# Altium PCB drive.PcbDoc
Units mm, origin at the board's own origin, x right, y up, seen from the top; angles counter-clockwise.
Board outline 29.81 x 30.08 mm, 2 copper layers (Top Layer, Bottom Layer); 49 components, 48 nets, 199 pads, 100 vias.
Unrouted connection lines stored in the file: 5.
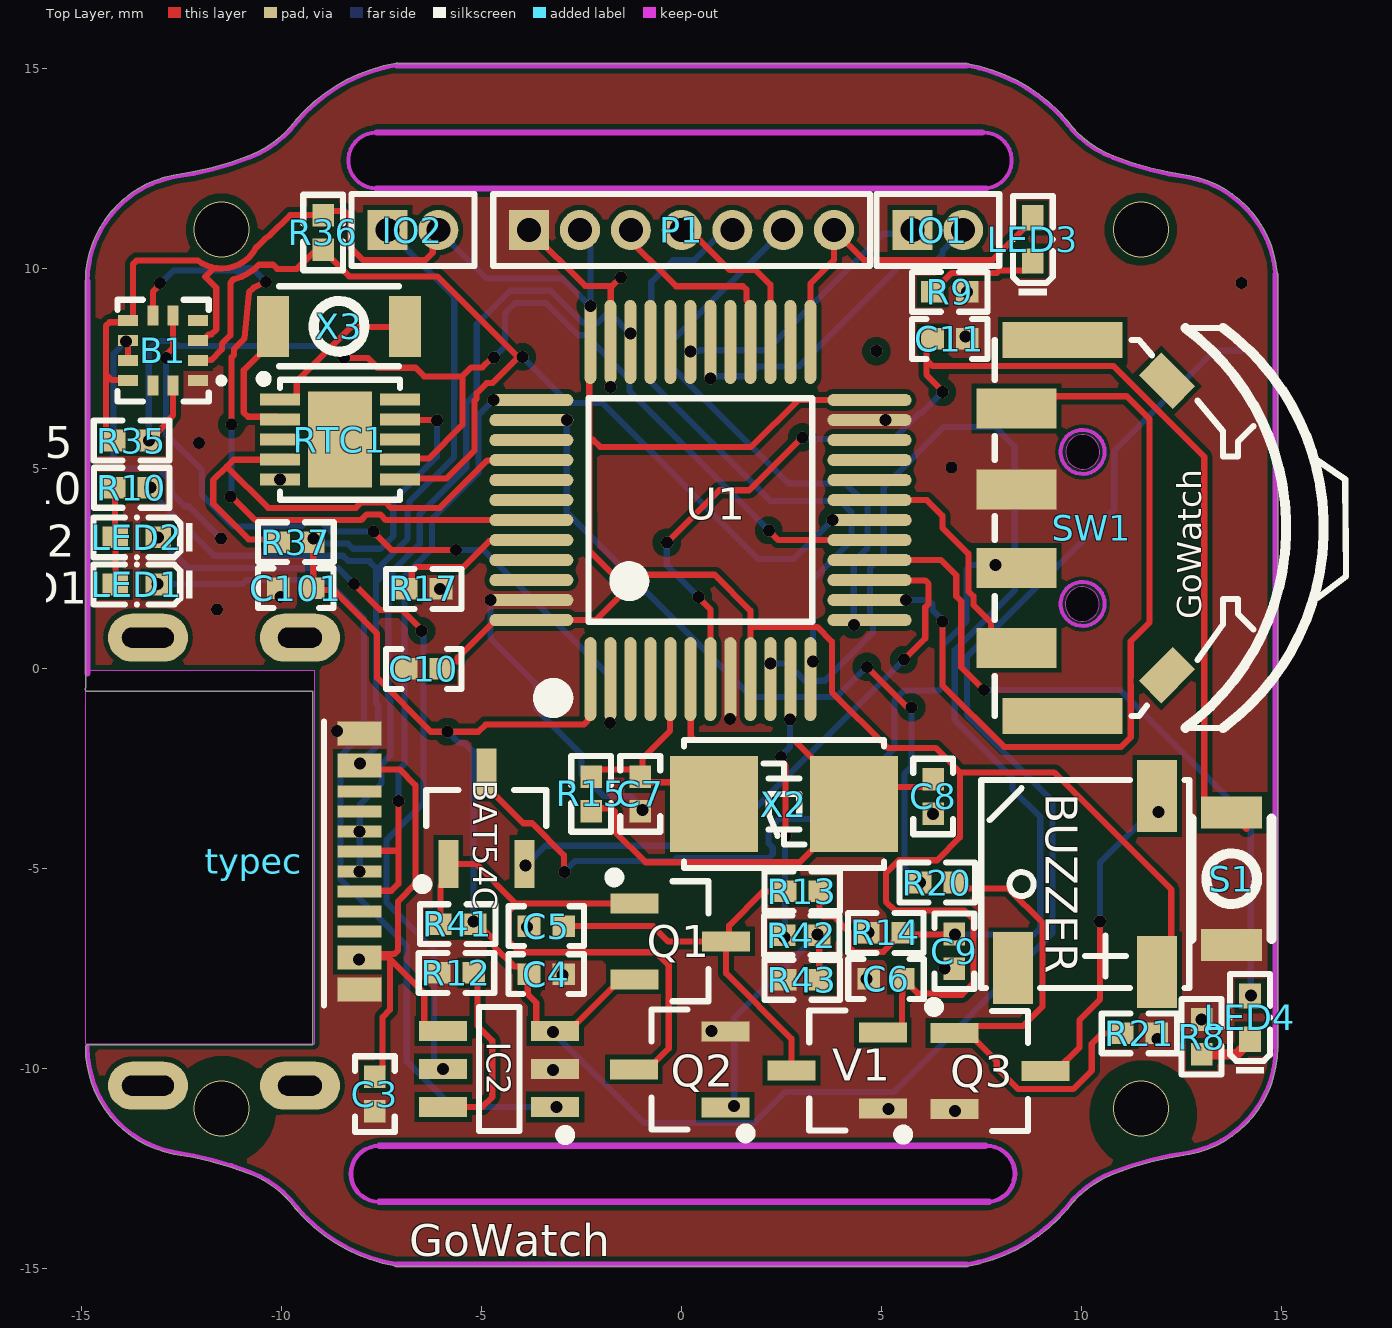
[diagram p0: Top Layer view]
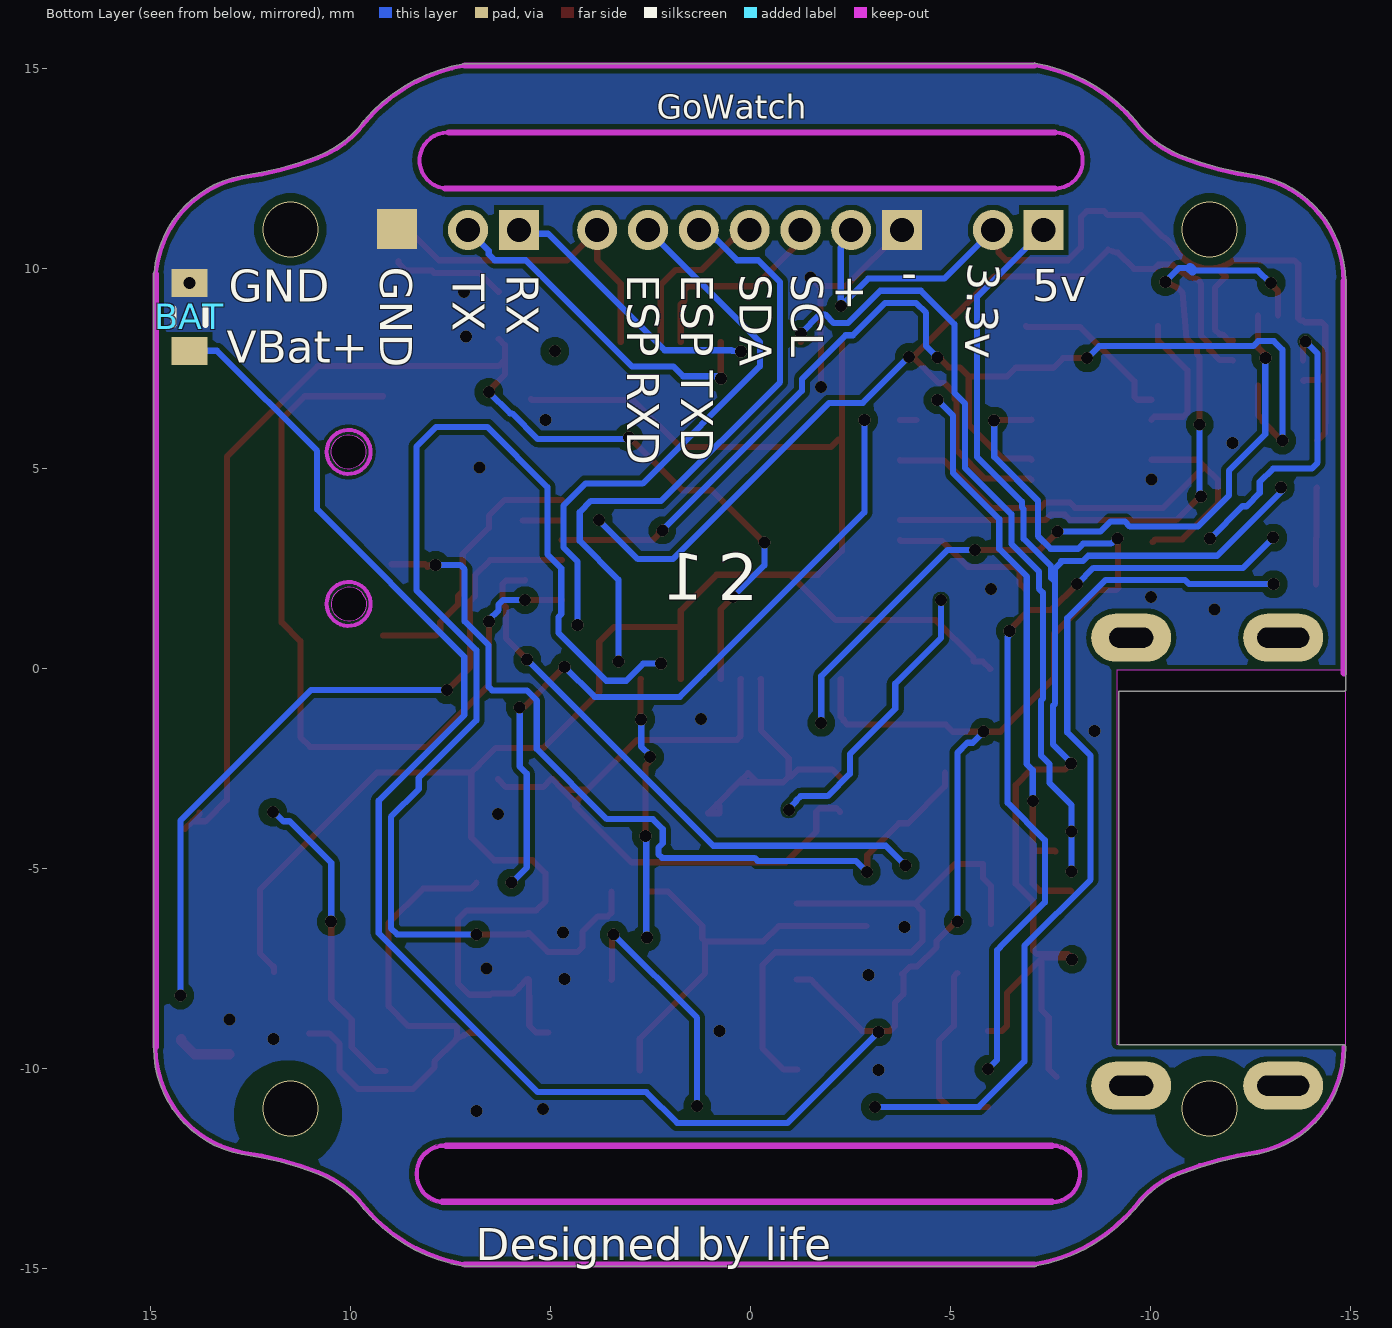
[diagram p1: Bottom Layer view, seen from below]

## Layer stack, top to bottom
Top Solder: solder mask 0.0102, Solder Resist, Dk 3.5
Top Layer: signal copper 0.0356
Dielectric 1: dielectric 0.32, FR-4, Dk 4.8
Bottom Layer: signal copper 0.0356
Bottom Solder: solder mask 0.0102, Solder Resist, Dk 3.5

## Board outline
-12.682,-12.128 cw(c-12.682,-12.128) -12.682,-12.128 cw(c-13.844,-20.451) -10.799,-12.619 ccw(c-10.78,-12.57) -10.797,-12.619 cw(c-11.691,-15.004) -9.637,-13.499 ccw(c-9.596,-13.47) -9.634,-13.503 cw(c-9.601,-13.475) -9.634,-13.502 -9.634,-13.503 ccw(c-6.425,-10.771) -7.147,-14.923 ccw(c-7.112,-14.888) -7.112,-14.938 7.132,-14.938 ccw(c7.132,-14.888) 7.157,-14.931 ccw(c6.445,-10.778) 9.649,-13.515 ccw(c9.619,-13.475) 9.659,-13.505 cw(c11.714,-15.009) 10.82,-12.625 cw(c10.828,-12.644) 10.821,-12.624 cw(c13.866,-20.456) 12.695,-12.135 ccw(c12.696,-12.085) 12.705,-12.134 ccw(c12.198,-9.472) 14.909,-9.472 ccw(c12.411,-9.471) 14.909,-9.454 14.909,9.652 ccw(c12.199,9.67) 14.909,9.67 ccw(c12.411,9.671) 14.909,9.688 14.909,9.872 ccw(c14.858,9.872) 14.899,9.902 ccw(c12.198,9.67) 12.705,12.332 ccw(c12.696,12.283) 12.702,12.333 ccw(c12.704,12.347) 12.703,12.333 12.702,12.333 cw(c13.864,20.656) 10.819,12.823 ccw(c10.805,12.788) 10.817,12.824 cw(c11.711,15.208) 9.657,13.704 ccw(c9.618,13.676) 9.654,13.707 ccw(c6.445,10.976) 7.147,15.131 ccw(c7.132,15.083) 7.132,15.133 -7.085,15.133 ccw(c-7.115,15.093) -7.123,15.142 ccw(c-6.428,10.986) -9.637,13.717 ccw(c-9.628,13.709) -9.637,13.717 ccw(c-9.599,13.684) -9.64,13.714 cw(c-11.694,15.218) -10.801,12.834 cw(c-10.815,12.87) -10.801,12.834 -10.802,12.833 cw(c-10.787,12.795) -10.801,12.834 -10.802,12.833 cw(c-13.847,20.666) -12.685,12.343 cw(c-12.689,12.367) -12.686,12.343 -12.685,12.343 ccw(c-12.679,12.292) -12.688,12.342 ccw(c-12.182,9.68) -14.892,9.705 ccw(c-14.842,9.702) -14.892,9.702 -14.892,9.698 cw(c-13.337,9.689) -14.892,9.705 -14.892,9.698 ccw(c-12.182,9.68) -14.892,9.662 -14.892,-0.482 ccw(c-14.848,-0.507) -14.848,-0.558 -9.215,-0.558 -9.215,-9.397 -14.838,-9.397 ccw(c-14.838,-9.447) -14.889,-9.447 ccw(c-12.178,-9.465) -12.685,-12.128 ccw(c-12.676,-12.078)
cut-out: -7.547,-13.372 cw(c-7.547,-12.622) -7.547,-11.872 7.604,-11.872 cw(c7.604,-11.922) 7.619,-11.874 cw(c7.634,-11.922) 7.634,-11.872 cw(c7.634,-12.622) 8.384,-12.622 cw(c7.634,-12.622) 7.714,-13.368 cw(c7.694,-13.322) 7.694,-13.372
cut-out: -7.62,12.013 cw(c-7.62,12.713) -7.62,13.413 7.531,13.413 7.561,13.413 cw(c7.561,12.713) 7.561,12.013 7.621,12.013
cut-out: -14.892,-9.377 -14.892,-0.037 -9.168,-0.037 -9.168,-9.377

## Design rules (kind name [scope] priority, off if disabled: settings)
Clearance [All] p1: gap=0.127 ignorepadtopadclearanceinfootprint=FALSE except(0.15: Arc-Arc Arc-Track Track-Track; 0.2: Arc-Via Track-Via SMDPad-Via THPad-Via Via-Fill Via-Poly Via-Region; 0.4: Via-Via)
PolygonConnect [All] p1: connectstyle=Direct reliefconductorwidth=0.254 reliefentries=4 polygonreliefangle="90 Angle" airgapwidth=0.254
RoutingVias [All] p1: holewidth=0.4 width=1 viastyle="Through Hole" minholewidth=0.3 minwidth=0.6 maxholewidth=0.711 maxwidth=1.27
SolderMaskExpansion [All] p1: expansion=0.102 istentingtop=FALSE
Width [All] p1: maxlimit=3 minlimit=0.127 preferedwidth=0.254 minimp=50.000000 maximp=50.000000 favimp=50.000000
30 further rules are at their usual default settings.

## Components (designator, comment, footprint, x,y, rotation, side; value= is the part's Value field where it differs from the comment)
B1 "BMA423" LGA-12(2x2)-2 -12.84,8.09 r90 top locked
BAT "0" R0603 14.01,8.803 r270 bottom
BAT54C "BAT54C" SOT23-3N -4.87,-3.73 r0 top
BUZZER "Beep-5020" 5020BUZZER 10.1,-5.33 r0 top
C3 "105" C0402-min -7.66,-10.68 r90 top
C4 "105" C0402-min -3.32,-7.63 r180 top
C5 "104" C0402-min -3.423,-6.43 r0 top
C6 "104" C0402-min 5.07,-7.75 r0 top
C7 "20PF" C0402-min -1.024,-3.176 r90 top
C8 "20PF" C0402-min 6.3,-3.24 r90 top
C9 "104" C0402-min 6.83,-7.11 r90 top
C10 "104" C0402-min -6.49,0 r0 top
C11 "104" C0402-min 6.768,8.25 r180 top
C101 "104" C0402-min -9.69,2.02 r0 top
IC2 "TP4057" SOT23-6N -4.55,-10 r90 top
IO1 "串口" MHDR1X2 5.78,10.973 r0 top
IO2 "5v与3.3v相联" MHDR1X2 -7.34,10.973 r0 top
LED1 "红色" LED0402 -13.45,2.11 r0 top
LED2 "绿色" LED0402 -13.45,3.29 r0 top
LED3 "RED" LED0402 8.79,10.58 r270 top
LED4 "BLUE" LED0402 14.22,-8.872 r270 top locked
P1 "MHDR1X7" MHDR1X7 -3.8,10.973 r0 top locked
Q1 "AO3401" SOT23-3N -0.02,-6.81 r270 top
Q2 "9014" SOT23-3N -0.04,-10.01 r90 top
Q3 "SS8050" SOT23-3N 7.97,-10.05 r270 top
R8 "1K" R0402 13.01,-9.25 r90 top
R9 "1K" R0402 6.664,9.428 r0 top
R10 "1K" R0402 -13.79,4.53 r0 top
R12 "10K" R0402 -5.67,-7.6 r0 top
R13 "10K" R0402 3.08,-5.56 r180 top
R14 "10K" R0402 5.06,-6.6 r0 top
R15 "1M" R0402 -2.25,-3.176 r90 top
R17 "10K" R0402 -6.489,2 r0 top
R20 "1K" R0402 6.35,-5.34 r0 top
R21 "10K" R0402 11.51,-9.11 r180 top
R35 "4.7K" R0402 -13.69,5.71 r180 top
R36 "4.7K" R0402 -8.949,10.861 r90 top
R37 "10K" R0402 -9.58,3.17 r180 top
R41 "220K" R0402 -5.64,-6.38 r0 top
R42 "4.7K" R0402 2.96,-6.66 r0 top
R43 "220K" R0402 3.08,-7.77 r180 top
RTC1 "PCF8563BS" HVSON-10-EP(3x3) -8.76,5.83 r270 top locked
S1 "SW-PB" switch-2x3 13.718,-5.227 r270 top locked
SW1 "TM-2024A" LUNBO-min-out 11.5,3.723 r270 top
typec "typec-16p-new" type-c-16p-new -11.627,-4.944 r270 top locked
U1 "STM32F103C8" "LQFP48 7X7_M" 0.481,3.973 r0 top locked
V1 "XC6206P332MR" SOT23-3N 3.9,-10.04 r90 top
X2 "8Mhz" "OSC 5032-2P" 2.57,-3.377 r180 top
X3 "32.768KHZ" SMD3215-2P -8.59,8.54 r0 top

## Footprints (in the part's own frame and the unit in brackets; to place one, negate y for a bottom-side part, rotate by r counter-clockwise, add the part's x,y. Pads: shape width x height; smd on the part's side, far side on the other; paste and mask are expansions set on the pad)
5020BUZZER [mm]
  rect 1x1.8 smd: 1(1.8,-2.25) 2(1.8,2.152) 3(-1.8,-2.151)
  silkscreen extent -2.6,-2.65 2.6,2.55, body extent -2.6,-2.7 2.6,2.5, height 2
C0402-min [mm]
  rect 0.566x0.54 smd paste-100 mask+0.051: 1(-0.381,0) 2(0.485,0)
  silkscreen extent -0.89,-0.5 1,0.5
HVSON-10-EP(3x3) [mm] "PCF8563BS"
  rect 0.3x1 smd paste+0 mask+0.05: 1(-0.9,-1.273) 2(-0.4,-1.273) 3(0.1,-1.273) 4(0.6,-1.273) 5(1.1,-1.273) 6(1.1,1.727) 7(0.6,1.727) 8(0.1,1.727) 9(-0.4,1.727) 10(-0.9,1.727)
  rect 2.4x1.6 smd paste+0 mask+0.05: 11(0.1,0.227)
  silkscreen extent -1.52,-1.78 1.6,1.73
LED0402 [mm]
  rect 0.636x0.54 smd paste-100 mask+0.051: 1(-0.695,0) 2(0.381,0)
  silkscreen extent -1.24,-0.54 1.23,0.54
LGA-12(2x2)-2 [mm] "BMA423"
  rect 0.28x0.5 smd: 1(-0.881,-0.762) 2(-0.381,-0.762) 3(0.119,-0.762) 4(0.619,-0.762) 7(0.619,0.988) 8(0.119,0.988) 9(-0.381,0.988) 10(-0.881,0.988)
  rect 0.5x0.28 smd: 5(0.744,-0.137) 6(0.744,0.363) 11(-1.006,0.363) 12(-1.006,-0.137)
  silkscreen extent -1.4,-1.42 1.14,1.26
"LQFP48 7X7_M" [mm]
  oval 0.3x2.1 smd: 1(-2.75,-4.227) 2(-2.25,-4.227) 3(-1.75,-4.227) 4(-1.25,-4.227) 5(-0.75,-4.227) 6(-0.25,-4.227) 7(0.25,-4.227) 8(0.75,-4.227) 9(1.25,-4.227) 10(1.75,-4.227) 11(2.25,-4.227) 12(2.75,-4.227) 25(2.75,4.202) 26(2.25,4.202) 27(1.75,4.202) 28(1.25,4.202) 29(0.75,4.202) 30(0.25,4.202) 31(-0.25,4.202) 32(-0.75,4.202) 33(-1.25,4.202) 34(-1.75,4.202) 35(-2.25,4.202) 36(-2.75,4.202)
  oval 2.1x0.3 smd: 13(4.227,-2.75) 14(4.227,-2.25) 15(4.227,-1.75) 16(4.227,-1.25) 17(4.227,-0.75) 18(4.227,-0.25) 19(4.227,0.25) 20(4.227,0.75) 21(4.227,1.25) 22(4.227,1.75) 23(4.227,2.25) 24(4.227,2.75) 37(-4.227,2.75) 38(-4.227,2.25) 39(-4.227,1.75) 40(-4.227,1.25) 41(-4.227,0.75) 42(-4.227,0.25) 43(-4.227,-0.25) 44(-4.227,-0.75) 45(-4.227,-1.25) 46(-4.227,-1.75) 47(-4.227,-2.25) 48(-4.227,-2.75)
  silkscreen extent -3.93,-4.95 2.79,2.79, body extent -4.5,-4.5 4.5,4.5, height 1.45
LUNBO-min-out [mm]
  rect 1x2 smd: 1(-2.788,-3.115) 2(3.197,-3.115) 3(-0.762,-3.115) 4(1.197,-3.115)
  rect 0.9x3 smd: 5(-4.503,-1.964) 6(4.897,-1.964)
  rect 1.2x0.8 smd rot 45: 7(-3.483,0.646)
  rect 1.2x0.8 smd rot 135: 8(3.877,0.646)
  Keep-Out Layer board cut-out: 2.529,-1.44 2.455,-1.23 2.286,-1.086 2.068,-1.045 1.858,-1.119 1.714,-1.288 1.673,-1.507 1.673,-1.507 1.747,-1.717 1.916,-1.861 2.135,-1.902 2.344,-1.827 2.489,-1.658 2.529,-1.44
  Keep-Out Layer board cut-out: -1.274,-1.43 -1.348,-1.22 -1.517,-1.076 -1.736,-1.035 -1.945,-1.109 -2.09,-1.278 -2.13,-1.497 -2.13,-1.497 -2.056,-1.706 -1.887,-1.851 -1.669,-1.891 -1.459,-1.817 -1.315,-1.648 -1.274,-1.43
  Keep-Out Layer circle w0.1: c-1.703,-1.464 r0.55
  Keep-Out Layer circle w0.1: c2.097,-1.464 r0.55
  Keep-Out Layer circle w0.025: c-1.703,-1.464 r0.55
  Keep-Out Layer circle w0.025: c2.097,-1.464 r0.55
  silkscreen extent -4.8,-3.66 5.2,5.12
MHDR1X2 [mm] "Connector; Header; 2 Position"
  rect 1x1 hole 0.6: 1(0,0)
  round 1 hole 0.6: 2(1.27,0)
  silkscreen extent -0.9,-0.9 2.17,0.9
MHDR1X7 [mm] "Connector; Header; 7 Position"
  rect 1x1 hole 0.6: 1(0,0)
  round 1 hole 0.6: 2(1.27,0) 3(2.54,0) 4(3.81,0) 5(5.08,0) 6(6.35,0) 7(7.62,0)
  silkscreen extent -0.9,-0.9 8.52,0.9
"OSC 5032-2P" [mm]
  rect 2.2x2.4 smd: 1(-1.75,0) 2(1.75,0)
  silkscreen extent -2.5,-1.6 2.5,1.6, body extent -2.5,-1.6 2.5,1.6, height 0.86
R0402 [mm]
  rect 0.566x0.54 smd paste-100 mask+0.051: 1(-0.381,0) 2(0.485,0)
  silkscreen extent -0.89,-0.5 1,0.5
R0603 [mm] "Chip Resistor, 2-Leads, Body 1.60x0.80mm, IPC Medium Density"
  rect 0.7x0.9 smd: 1(-0.85,0) 2(0.85,0)
  silkscreen extent -0.2,-0.4 0.2,0.4, body extent -0.78,-0.43 0.77,0.42, height 0.45
SMD3215-2P [mm]
  rect 0.8x1.524 smd: 1(-1.613,0.026) 2(1.688,0.026)
  silkscreen extent -1.46,-0.97 1.54,1.03
SOT23-3N [mm]
  rect 0.5x1.2 smd: 1(-0.95,-1.143) 2(0.95,-1.143) 3(0,1.143)
  silkscreen extent -1.72,-1.78 1.5,0.7, body extent -1.5,-1.2 1.5,1.2, height 1.05
SOT23-6N [mm]
  rect 0.5x1.2 smd: 1(-0.95,-1.4) 2(0,-1.4) 3(0.95,-1.4) 4(0.95,1.4) 5(0,1.4) 6(-0.95,1.4)
  silkscreen extent -1.78,-1.78 1.55,0.51, body extent -1.5,-1.4 1.5,1.4, height 1.15
switch-2x3 [mm]
  rect 0.8x1.524 smd: 1(-1.632,0.044) 2(1.669,0.044)
  silkscreen extent -1.48,-0.96 1.52,1.04
type-c-16p-new [mm]
  rect 0.6x1.1 smd paste-100 mask+0.05: 1(-3.327,3.59) 2(-2.527,3.59) 11(2.273,3.59) 12(3.073,3.59)
  rect 0.3x1.1 smd paste-100 mask+0.05: 3(-1.877,3.59) 4(-1.377,3.59) 5(-0.877,3.59) 6(-0.377,3.59) 7(0.123,3.59) 8(0.623,3.59) 9(1.123,3.59) 10(1.623,3.59)
  oval 1.2x2 hole 0.5 slot 1.1 at 90 deg: 13(-5.727,2.097) 14(5.473,2.097)
  oval 1.2x2 hole 0.5 slot 1.3 at 90 deg: 15(-5.727,-1.703) 16(5.473,-1.703)
  silkscreen extent -3.63,2.7 3.47,2.7, body extent -5.83,-3.5 5.57,3.05, height 1.59

## Part data
BAT R8 R9 R10 R12 R13 R14 R15 R17 R20 R21 R35 R36 R37 R41 R42 R43: library part R, "贴片电阻", BOM名称=贴片电阻, 学习资源=www.ooocke.com, 版权归属=源创客
BAT54C: "双肖特基，共阴极"
BUZZER: "贴片蜂鸣器5020最小封装"
C3 C4 C5 C6 C7 C8 C9 C10 C11 C101: library part C, "无极性贴片电容", BOM名称=无极性贴片电容, 学习资源=www.ooocke.com, 版权归属=源创客
  C5 C6 C7 C8 C9 C10 C11 C101: 材质=X7R
IC2: library part TP4057/4059, "500mA/600mA锂电池充电管理IC"
IO1 IO2: library part "Header 2", "Header, 2-Pin", LatestRevisionDate=17-Jul-2002, LatestRevisionNote="Re-released for DXP Platform.", Publisher="Altium Limited"
LED1 LED2 LED3 LED4: library part LED-SMD, "贴片LED", BOM名称=贴片LED, 学习资源=www.ooocke.com, 版权归属=源创客
P1: "Header, 7-Pin", LatestRevisionDate=17-Jul-2002, LatestRevisionNote="Re-released for DXP Platform.", Publisher="Altium Limited"
Q1: library part SI2301, "P沟道场效应管", BOM名称=P沟道场效应管, 学习资源=www.ooocke.com, 版权归属=源创客
Q2: library part 9014-SMD, "低噪放大-NPN型", BOM名称=低噪放大-NPN型, 学习资源=www.ooocke.com, 属性="50V 0.1A 0.4W 150MHZ", 版权归属=源创客
Q3: library part 8050-SMD, "高频放大-NPN型", BOM名称=高频放大-NPN型, 学习资源=www.ooocke.com, 属性="40V 1.5A 1W 100MHZ", 版权归属=源创客
S1: "Switch", LatestRevisionDate=17-Jul-2002, LatestRevisionNote="Re-released for DXP Platform.", PackageDescription="Switch; 2 Leads", PackageReference=SPST-2, Published=24-Mar-1999, Publisher="Altium Limited"
SW1: library part lunbo-min, JLCPCB Part Class="Extended Part", LCSC Part Name=四脚两档拨轮开关TM-2024A, Manufacturer="XKB Connection(中国星坤)", Add into BOM=yes, Convert to PCB=yes, Datasheet=https://atta.szlcsc.com/upload/public/pdf/source/20211011/7A4DB3DC37E7D5823B6D92C66ED3191E.pdf, Device=TM-2024A, Manufacturer Part=TM-2024A, Supplier=LCSC, Supplier Footprint=SMD, Supplier Part=C561480, Symbol=TM-2024A
U1: "Flaah:64/RAM:20/IO:36", BOM名称=32位STM单片机, 学习资源=www.ooocke.com, 版权归属=源创客
V1: "低压差线性稳压芯片", BOM名称=低压差线性稳压芯片, 学习资源=www.ooocke.com, 版权归属=源创客
X2 X3: library part XTAL-2P, "2脚无源脚晶振", BOM名称=2脚无源脚晶振, 学习资源=www.ooocke.com, 版权归属=源创客, 负载电容=CL20pF

## Free pads (board coordinates)
  rect 1x1 smd far side: 2(8.82,11)

## Via types
v1: diameter 0.3, hole 0.3, Top Layer to Bottom Layer, 96 vias
v2: diameter 1.4, hole 1.35, Top Layer to Bottom Layer, 4 vias

## Nets (pads, with @x,y where several pads share a name; then routed paths per layer and width w, separated by ;. In a path a pad name is that pad's centre, name@x,y a point inside that pad or via, vN(x,y) a via of type N, cw(c..) or ccw(c..) an arc to the next point about the centre after c; other vN are vias at no path point)
+3.3V: B1.3 B1.7 B1.10 BUZZER.1 C6.2 C10.2 IO2.2 P1.2 R35.2 R36.2 U1.9 U1.24 U1.36 U1.48 V1.2 | length 78.7
  Top Layer w0.154: R35.2 -14.184,5.71 -14.377,5.903 -14.377,6.145 -14.38,6.148 -14.38,7.362 ; B1.10@-13.841,7.196 B1.10 -13.841,7.222 -14.239,7.222 -14.38,7.362 ; B1.3 -11.968,8.209 -11.812,8.365 -11.744,8.365 -11.624,8.484 -11.624,9.53 -11.897,9.803 -11.683,10.017 -11.619,10.017 ; -11.619,10.017 -11.61,10.017 ; -10.605,10.557 -10.621,10.541 cw(c-11.49,10.987) -10.926,10.189 cw(c-11.49,10.987) -11.61,10.017 ; -10.604,10.558 -10.415,10.747 -10.283,10.84 -9.778,11.345 R36.2 -8.85,11.445 -8.419,11.445 -8.27,11.296 -8.27,10.544 -7.945,10.219 -6.401,10.219 -6.213,10.407 -6.213,10.83 IO2.2 ; C10.2 -5.82,0.186 -5.59,0.186 -5.59,0.279 -4.646,1.223 U1.48 -2.834,1.223 -2.811,1.246 U1.48@-2.806,1.246 ; U1.48@-2.733,1.223 -2.14,1.223 -1.01,2.353 ; -2.3,6.992 -2.3,3.903 -2.295,3.898 -2.295,2.949 -1.699,2.353 -1.01,2.353 ; -2.3,7.027 -2.3,7.297 -2.296,7.302 -2.296,8.148 U1.36 ; -2.207,5.733 -2.026,5.551 1.75,5.551 2.921,6.723 U1.24 5.459,6.723 U1.24@5.48,6.744 ; U1.9 1.731,1.05 ; V1.2 5.347,-9.09 5.52,-8.917 5.52,-8.171 5.53,-8.161 5.53,-7.762 C6.2@5.542,-7.75 ; C6.2 5.567,-7.75 5.76,-7.943 5.76,-7.956 5.915,-8.11 6.46,-8.11 6.495,-8.145 7.018,-8.145 7.304,-7.858 7.304,-6.258 7.082,-6.036 5.339,-6.036 5.117,-5.814 5.117,-5.105 5.441,-4.781 6.399,-4.781 6.97,-4.21 6.97,-2.585 ; 6.774,-2.389 6.97,-2.585 ; 6.774,-2.388 6.359,-1.973 5.163,-1.973 3.77,-0.58 3.77,0.679 3.398,1.05 1.731,1.05 ; BUZZER.1 11.9,-7.435 11.932,-7.435 12.25,-7.116 12.25,-5.511 9.325,-2.585 6.97,-2.585 ; -14.38,7.362 -14.38,8.577 -14.29,8.667 -13.87,8.667 B1.7 -13.768,8.709 -13.705,8.772 -13.705,10.12 -13.66,10.165 -13.615,10.21 -12.082,10.21 ccw(c-11.49,10.987) -11.61,10.017 ; -1.01,2.353 0.837,2.353 1.731,1.459 1.731,1.05
  Bottom Layer w0.154: IO2.2 -4.857,9.76 -2.956,9.76 v1(-2.269,9.073) ; P1.2 -2.53,10.798 -2.269,10.537 v1@-2.269,9.085
+5: C3.2 IC2.4 IO2.1 R10.2 typec.2 typec.11 | length 35.3
  Top Layer w0.154: v1(-8.052,-7.263) -8.036,-7.247 typec.11 ; v1(-8.03,-2.36) -7.878,-2.511 -7.034,-2.511 -6.642,-2.903 -6.642,-2.954 -6.642,-5.374 -7.079,-5.812 -7.079,-7.036 -7.17,-7.127 -7.946,-7.127 typec.11 ; C3.2 -7.467,-10.002 -7.467,-8.708 -7.283,-8.523 -7.283,-7.242 -6.423,-8.101 -6.423,-8.927 -6.3,-9.05 IC2.4 ; -7.307,-7.218 typec.11
  Bottom Layer w0.154: v1@-13.315,4.47 -11.676,2.831 -8.457,2.831 -8.326,2.7 -7.78,2.7 -7.78,2.671 -7.626,2.516 -7.626,2.174 ; v1@-8.052,-7.275 v1(-8.052,-7.263) ; v1(-8.03,-2.36) -8.03,-2.348 -7.574,-1.893 -7.574,-0.917 -7.626,-0.866 -7.626,2.174 ; IO2.1 -5.675,9.308 -5.675,6.766 -5.678,6.764 -5.678,5.298 -6.796,4.18 -6.796,4.038 -6.838,3.996 -6.838,3.252 -7.526,2.564 -7.526,2.274 -7.626,2.174
  other v1: -13.273,4.534
ACC_INT_1: B1.5 U1.2 | length 18.3
  Top Layer w0.154: v1(-12.882,7.77) -12.854,7.798 -12.854,7.878 -12.703,8.029 B1.5 ; v1(-7.693,3.431) -7.235,2.973 v1(-5.627,2.973)
  Bottom Layer w0.154: v1(-12.882,7.77) -12.882,5.868 -11.977,4.963 -11.977,4.34 -11.195,3.557 -9.497,3.557 -9.367,3.687 -9.013,3.687 -8.765,3.439 -7.701,3.439 v1(-7.693,3.431) ; v1(-5.627,2.973) -4.933,2.973 -1.78,-0.18 v1(-1.78,-1.35)
ACC_INT_2: B1.6 U1.43 | length 17.5
  Top Layer w0.154: B1.6 -13.203,9.438 -13.03,9.61 v1(-13.03,9.65) ; v1(-11.27,4.31) -11.238,4.31 -10.651,3.723 -8.005,3.723 -7.869,3.858 -7.516,3.858 -7.381,3.723 U1.43 ; v1(-11.24,6.11) -11.24,7.797 -11.176,7.861 -11.176,8.002 -10.961,8.217 -10.916,8.262 -10.807,9.412 -10.688,9.532 v1(-10.381,9.678)
  Bottom Layer w0.154: v1(-13.03,9.65) -13.002,9.65 -12.692,9.96 -11.065,9.96 ; v1(-11.27,4.31) -11.242,4.338 -11.242,4.441 -11.24,4.443 v1(-11.24,6.11) ; -10.997,10.028 -10.731,10.028 v1(-10.381,9.678)
  Bottom Layer w0.254: -11.065,9.96 -10.997,10.028
ADC: C9.2 R13.1 R14.2 U1.10 | length 31.6
  Top Layer w0.154: R13.1 3.461,-6.096 3.551,-6.186 3.812,-6.186 4.192,-6.566 4.192,-6.954 4.312,-7.074 5.058,-7.074 5.532,-6.6 R14.2 ; R14.2@5.557,-6.6 5.593,-6.635 6.83,-6.635 v1(6.84,-6.635)
  Bottom Layer w0.154: v1(2.231,0.132) 2.669,0.132 3.095,-0.294 3.595,-0.294 4.791,0.903 4.791,1.298 4.718,1.371 4.718,2.519 5.064,2.865 5.064,4.547 6.567,6.05 7.848,6.05 8.34,5.557 8.34,1.966 6.84,0.466 6.84,-1.281 8.281,-2.722 8.281,-3.002 8.977,-3.698 8.977,-6.482 8.824,-6.635 v1(6.84,-6.635)
beep: R20.1 U1.38 | length 18.6
  Top Layer w0.154: U1.38@-4.16,6.223 U1.38 ; v1(4.64,0.054) 5.648,-0.953 5.749,-0.953 v1(5.758,-0.962)
  Bottom Layer w0.154: v1(-2.86,6.223) -2.86,3.918 1.156,-0.097 1.756,-0.698 3.888,-0.698 v1(4.64,0.054) ; v1@5.733,-0.973 5.758,-0.998 5.758,-2.44 5.583,-2.615 5.583,-4.964 5.959,-5.34 v1(5.969,-5.34)
BOOT0: R17.1 U1.44 | length 3.8
  Top Layer w0.154: R17.1@-6.891,2 -6.878,2 -6.735,2.143 -6.735,2.456 -6.645,2.546 -5.45,2.546 -4.801,3.195 -3.774,3.195 U1.44
BOOT1: U1.20
ESP_RXD: P1.6 U1.13 | length 14
  Bottom Layer w0.154: P1.6 -0.246,8.177 -0.246,7.564 2.685,4.633 4.115,4.633 4.66,4.087 4.66,3.033 4.314,2.687 v1(4.314,1.101)
  other v1: 4.314,1.101
ESP_TXD: P1.5 U1.12 | length 15.6
  Bottom Layer w0.154: P1.5 1.078,10.973 0.811,10.706 0.809,10.706 0.322,10.219 -0.204,10.219 -0.75,9.673 -0.75,7.173 2.224,4.199 3.977,4.199 4.256,3.92 4.256,3.2 3.293,2.236 v1(3.293,0.183)
GND: B1.1 B1.8 B1.9 BAT.1 C3.1 C4.1 C5.1 C6.1 C7.1 C8.1 C9.1 C10.1 C11.1 C101.1 IC2.2 P1.1 pad.2 Q2.2 Q3.2 R8.2 R9.2 R12.1 R14.1 R17.2 R21.1 R43.2 RTC1.5 S1.2 SW1.3 typec.1 typec.12 U1.8 U1.23 U1.35 U1.47 V1.1 | length 20.1
  Top Layer w0.154: v1(-13.884,8.188) -13.849,8.188 B1.8 B1.9 ; P1.1 -2.402,9.575 -1.718,9.575 ; v1(-1.773,7.051) -1.771,7.053 -1.771,8.172 -1.76,8.183 -1.76,9.533 -1.718,9.575 ; v1(-1.51,9.783) -1.718,9.575
  Bottom Layer w0.154: v1(-13.884,8.188) -14.19,7.882 -14.19,5.16 -14.041,5.011 -13.075,5.011 -12.744,4.68 -12.744,4.4 -12.413,4.069 -12.31,4.069 v1(-11.499,3.258) ; v1(-4.77,1.723) -4.77,0.77 -3.632,-0.368 -3.632,-0.993 -2.495,-2.13 -2.495,-2.622 -1.941,-3.176 -1.264,-3.176 -1.155,-3.285 -1.155,-3.305 -0.97,-3.49 v1(-0.97,-3.53)
  other v1: 6.84,-11.056 5.18,-11.006 -3.206,-10.021 11.911,-9.25 0.76,-9.056 13.01,-8.765 4.636,-7.747 -2.964,-7.653 6.583,-7.491 4.68,-6.586 -3.86,-6.451 6.3,-3.621 -8.607,-1.557 1.221,-1.251 -11.61,1.48 -10.02,1.796 -6.025,2 -10.033,4.73 6.76,5.04 -12.06,5.65 5.11,6.223 7.106,8.317 7.149,9.428 14.01,9.653
IO3: U1.32
IO4: U1.33
NetBAT54C_1: BAT54C.1 Q1.1 Q2.3 R41.1 | length 15.1
  Top Layer w0.154: R41.1 -6.021,-5.424 -5.82,-5.223 BAT54C.1 -5.129,-4.873 -4.142,-5.86 ; Q2.3 -0.833,-10.01 -0.309,-9.486 -0.309,-7.405 -0.631,-7.083 -4.03,-7.083 -4.308,-6.805 -4.308,-6.055 -4.113,-5.86 Q1.1
NetBUZZER_2: BUZZER.2 Q3.3 | length 7.9
  Top Layer w0.154: Q3.3 9.364,-10.05 9.959,-9.456 9.959,-8.775 10.47,-8.264 v1(10.47,-6.32)
  Bottom Layer w0.154: v1(10.47,-6.32) 10.47,-4.846 11.509,-3.807 11.664,-3.807 11.89,-3.58 v1(11.93,-3.58)
NetIC2_1: IC2.1 LED1.2 | length 21.8
  Bottom Layer w0.154: v1(-13.09,2.12) -10.978,2.12 -10.875,2.223 -8.883,2.223 -7.93,1.27 -7.93,-1.586 -8.513,-2.17 -8.513,-5.265 -6.86,-6.919 -6.86,-9.81 -5.72,-10.95 v1(-3.12,-10.95)
NetIC2_5: IC2.5 LED2.2 | length 19.5
  Top Layer w0.154: v1(-8.178,2.122) -7.532,1.476 -6.984,1.476 -6.491,0.983 v1(-6.491,0.95)
  Bottom Layer w0.154: v1(-13.08,3.28) -12.327,2.527 -8.583,2.527 v1(-8.178,2.122) ; v1(-6.491,0.95) -6.463,0.922 -6.463,0.819 -6.439,0.795 -6.439,-3.351 -7.37,-4.282 -7.37,-4.771 -7.37,-5.835 -6.255,-6.95 -6.255,-6.952 -6.176,-7.031 -6.176,-7.894 -6.176,-9.774 v1(-5.95,-10)
NetIC2_6: IC2.6 R12.2 | length 4.6
  Top Layer w0.154: IC2.6 -4.969,-10.95 -4.723,-10.704 -4.723,-9.292 -5.096,-8.919 -5.096,-7.689 R12.2
NetLED1_1: LED1.1 LED2.1 R10.1 | length 2.4
  Top Layer w0.154: R10.1 -14.158,4.517 -14.158,3.303 LED2.1 LED1.1
NetLED3_2: LED3.2 R9.1 | length 2.9
  Top Layer w0.154: R9.1 6.296,9.428 6.77,9.902 7.895,9.902 7.95,9.958 8.597,9.958 8.79,10.151 LED3.2
NetLED4_2: LED4.2 R8.1 | length 1.4
  Top Layer w0.254: R8.1 13.89,-9.631 14.22,-9.301 LED4.2
NetQ2_1: Q2.1 R42.2 R43.1 | length 6.3
  Top Layer w0.154: R42.2 3.453,-6.668 3.453,-7.762 R43.1
  Bottom Layer w0.154: v1(1.325,-10.922) 1.325,-8.723 v1(3.408,-6.64)
NetQ3_1: Q3.1 R20.2 R21.2 | length 12.9
  Top Layer w0.154: R20.2 6.985,-5.49 8.174,-5.49 9.035,-6.351 9.035,-8.434 8.542,-8.927 7.35,-8.927 7.324,-8.953 7.324,-9.244 7.149,-9.156 6.998,-9.079 6.978,-9.1 Q3.1@6.928,-9.1 ; Q3.1@6.965,-9.062 6.928,-9.062 6.864,-9.062 Q3.1 Q3.1@6.928,-9.1 ; Q3.1@6.998,-9.1 Q3.1@6.928,-9.1 ; Q3.1@7.35,-9.258 7.35,-9.273 7.889,-9.812 7.889,-9.965 8.428,-10.504 9.797,-10.504 10.263,-10.039 10.263,-9.369 10.521,-9.11 R21.2
NetRTC1_1: RTC1.1 X3.2 | length 4.1
  Top Layer w0.154: RTC1.1 -9.683,6.73 -9.61,6.803 -9.61,7.194 -8.258,8.546 -6.922,8.546 X3.2
NetRTC1_2: RTC1.2 X3.1 | length 3.4
  Top Layer w0.154: X3.1 -10.203,8.204 -10.936,7.471 -10.936,6.41 -10.829,6.303 -10.106,6.303 RTC1.2
NRST: C11.2 S1.1 U1.7 | length 32
  Top Layer w0.154: v1(-0.359,3.157) 0.953,4.469 1.696,4.469 v1@3,5.773 ; v1(0.43,1.803) 0.43,1.791 0.731,1.49 U1.7 ; C11.2 6.13,8.096 6.13,7.728 ; v1(6.53,6.92) 6.53,6.96 6.13,7.36 6.13,7.728 ; S1.1 13.762,-3.633 S1.1@13.937,-3.808 ; 14.13,-4.001 S1.1@13.937,-3.808 ; 6.13,7.728 6.286,7.572 10.811,7.572 13.077,5.306 13.077,-3.272 13.613,-3.808 S1.1@13.937,-3.808
  Bottom Layer w0.154: v1(-0.359,3.157) -0.359,2.592 v1(0.43,1.803) ; v1(3.029,5.787) 3.042,5.787 3.083,5.746 5.308,5.746 5.949,6.388 5.998,6.388 v1(6.53,6.92)
OSC32_IN: U1.3
OSC32_OUT: U1.4
OSC_IN: C7.2 R15.2 U1.5 X2.2 | length 9.7
  Top Layer w0.154: R15.2@-2.25,-2.705 -2.25,-2.703 -2.057,-2.51 -1.205,-2.51 C7.2 -0.967,-2.635 -0.967,-2.232 -0.278,-1.542 -0.278,-0.263 U1.5 ; C7.2@-0.967,-2.692 -0.967,-2.697 -0.831,-2.834 X2.2@-0.18,-2.834 ; X2.2@-0.18,-2.834 X2.2@0.277,-2.834 ; X2.2@-0.18,-2.834 0.048,-2.605 X2.2@0.277,-2.834 ; X2.2@-0.18,-2.834 X2.2@0.277,-2.834 ; X2.2@0.277,-2.834 X2.2 ; X2.2@0.277,-2.834 X2.2 ; X2.2@0.277,-2.834 X2.2 ; X2.2 1.05,-3.607 0.762,-3.607 0.762,-3.435 X2.2
OSC_OUT: C8.2 R15.1 U1.6 X2.1 | length 17.4
  Top Layer w0.154: R15.1@-2.25,-3.571 -2.16,-3.481 -1.746,-3.481 -1.656,-3.571 -1.656,-4.067 -0.891,-4.831 2.966,-4.831 4.37,-3.427 4.37,-3.327 X2.1@4.676,-3.021 ; U1.6 0.24,-0.263 0.24,-1.684 0.33,-1.774 2.817,-1.774 X2.1@4.064,-3.021 ; X2.1 4.32,-3.277 X2.1@4.064,-3.021 ; C8.2 6.3,-2.759 6.107,-2.952 5.175,-2.952 4.96,-2.737 X2.1@4.676,-3.021 ; X2.1@4.064,-3.021 X2.1@4.676,-3.021
PA6: LED4.1 U1.16 | length 17.9
  Top Layer w0.154: U1.16 6.497,2.723 6.877,2.343 6.877,1.816 7,1.693 7,0.041 v1(7.571,-0.53)
  Bottom Layer w0.154: v1(7.571,-0.53) 10.98,-0.53 14.24,-3.79 v1(14.24,-8.165)
PB12: LED3.1 P1.7 U1.25 | length 8.8
  Top Layer w0.154: U1.25 3.231,9.631 3.82,10.22 P1.7 4.574,10.219 7.782,10.219 8.79,11.227 LED3.1
PWR_ON: R42.1 U1.11 | length 6.6
  Top Layer w0.154: v1(2.5,-2.201) 2.528,-2.229 2.528,-2.33 2.61,-2.412 v1(2.61,-4.18) ; U1.11 2.74,-0.263 U1.11@2.74,-1.234
  Bottom Layer w0.154: v1(2.5,-2.201) 2.5,-2.162 2.721,-1.941 v1(2.721,-1.259) ; v1(2.58,-6.711) 2.595,-6.696 2.595,-4.195 v1(2.61,-4.18)
RTC_INT: R37.2 RTC1.4 U1.40 | length 13.1
  Top Layer w0.154: R37.2 -10.135,3.24 -10.81,3.24 -11.697,4.127 -11.697,4.724 -11.36,5.061 ; RTC1.4 -11.191,5.23 -11.36,5.06 ; U1.40 -3.755,5.214 -4.843,5.214 -6.031,4.027 -7.255,4.027 -7.39,4.162 -7.995,4.162 -8.13,4.027 -10.327,4.027 -11.36,5.06
RX: IO1.1 U1.31 | length 6.8
  Bottom Layer w0.154: v1(0.231,7.938) 0.24,7.947 0.443,7.947 0.464,7.969 2.138,7.969 5.048,10.879 5.686,10.879 IO1.1
SCL2: B1.12 R35.1 RTC1.7 U1.17 | length 29.4
  Top Layer w0.154: v1(-13.309,5.71) -13.296,5.71 -12.812,6.194 -12.812,6.229 -12.703,6.338 B1.12 ; v1(-8.43,7.77) -7.829,7.77 -7.589,7.53 -6.641,7.53 -6.425,7.315 -5.467,7.315 ; RTC1.7 -7.006,5.257 -6.314,5.257 -5.467,6.104 -5.467,7.315 ; v1(-4.682,7.792) -4.715,7.792 -4.968,7.539 -5.243,7.539 -5.467,7.315 ; v1(2.19,3.463) 2.43,3.223 U1.17
  Bottom Layer w0.154: v1(-13.309,5.71) -13.309,7.981 -13.093,8.197 -12.705,8.197 -12.579,8.071 -8.731,8.071 v1(-8.43,7.77) ; v1(-4.682,7.792) -4.401,8.073 -4.401,8.899 -4.148,9.152 -3.382,9.152 -2.572,8.342 -2.39,8.342 -1.296,7.248 -1.296,6.949 v1(2.19,3.463)
SCL_OLED: P1.3 U1.28 | length 5.1
  Top Layer w0.154: P1.3@-1.53,10.973 -0.126,9.569 1.545,9.569 1.635,9.479 1.635,9.21 1.731,9.114 U1.28
SDA2: B1.2 R36.1 RTC1.6 U1.18 | length 27.5
  Top Layer w0.154: B1.2 -12.065,7.722 -11.744,7.722 -11.48,7.986 -11.48,8.128 -11.27,8.338 -11.27,9.602 -11.27,9.635 -11.256,9.665 cw(c-11.116,9.602) -11.157,9.75 ccw(c-11.408,10.684) -11.154,9.751 ; -11.153,9.751 ccw(c-11.49,10.987) -10.7,9.979 cw(c-10.605,9.857) -10.663,10 -10.558,10.105 -10.204,10.105 -10.1,10 -9.607,10 -9.196,10.411 -9.142,10.411 R36.1 -8.949,10.467 -8.297,9.815 -6.1,9.815 -4.085,7.8 v1(-3.97,7.8) ; RTC1.6 -7.003,4.76 -5.869,4.76 -5.163,5.466 -5.163,6.707 -5.113,6.757 -5.113,6.898 -4.863,7.148 -4.722,7.148 v1@-4.078,7.792 ; U1.18 4.717,3.714 U1.18@5.688,3.714
  Bottom Layer w0.154: v1(-3.97,7.8) -2.82,6.65 -1.976,6.65 1.928,2.746 2.803,2.746 v1(3.779,3.722)
SDA_OLED: P1.4 U1.27 | length 4
  Top Layer w0.154: P1.4@0.212,10.973 0.479,10.706 0.481,10.706 1.214,9.973 1.867,9.973 2.231,9.609 U1.27
SW1: SW1.2 U1.19 | length 6.9
  Top Layer w0.154: U1.19 6.139,4.223 6.53,3.832 6.53,3.53 7.181,2.879 7.181,1.942 7.304,1.819 7.304,1.606 7.743,1.167 7.743,0.949 7.859,0.833 SW1.2@9.179,0.833
SW2: BAT54C.3 SW1.4 | length 21.1
  Top Layer w0.154: BAT54C.3 -4.87,-2.937 -3.95,-3.857 -3.727,-3.857 -2.93,-4.654 -2.93,-5.064 v1(-2.921,-5.072) ; v1(7.86,2.6) 8.01,2.6 8.06,2.55 8.127,2.617 SW1.4@8.963,2.617
  Bottom Layer w0.154: v1(-2.921,-5.072) -2.648,-4.8 -0.19,-4.8 -0.114,-4.724 2.201,-4.724 2.291,-4.634 2.291,-4.465 2.183,-4.357 2.183,-4.003 2.433,-3.753 3.577,-3.753 5.331,-1.999 5.331,-0.785 5.581,-0.535 6.446,-0.535 6.536,-0.445 6.536,0.592 7.137,1.193 7.137,2.487 7.25,2.6 v1(7.86,2.6)
SW2-KEY: BAT54C.2 U1.15 | length 14.3
  Top Layer w0.154: v1(5.57,0.23) 6.103,0.763 6.103,1.547 6.186,1.63 6.186,2.124 6.096,2.214 5.629,2.214 U1.15@5.624,2.22
  Bottom Layer w0.154: v1(-3.887,-4.915) -3.392,-4.42 0.92,-4.42 v1(5.57,0.23)
SW3: SW1.1 U1.14 | length 20.1
  Top Layer w0.154: U1.14 v1(5.621,1.723) U1.14@5.644,1.746 ; v1(6.53,1.19) 6.53,-0.406 8.074,-1.95 10.999,-1.95 11.24,-1.709 11.24,-0.385 11.235,-0.38 11.235,-0.211 11.24,-0.206 11.24,0.692 11.71,1.162 11.71,6.243 11.135,6.818 SW1.1@9.179,6.818
  Bottom Layer w0.154: v1(5.621,1.723) 6.177,1.723 6.286,1.614 6.286,1.474 6.53,1.23 v1(6.53,1.19)
SWCLK: typec.6 typec.8 U1.37 | length 14.7
  Top Layer w0.154: typec.8 -8.013,-5.545 -7.242,-5.545 -7.069,-5.372 -7.069,-4.545 ; typec.6@-7.63,-4.561 -7.613,-4.545 -7.069,-4.545 ; v1(-7.069,-3.306) -7.069,-4.545 ; v1(-4.686,6.721) U1.37@-4.663,6.721
  Bottom Layer w0.154: v1(-7.069,-3.306) -7.069,-2.53 -6.918,-2.379 -6.918,2.312 -6.23,3 -6.23,3.745 -5.07,4.905 -5.07,6.338 v1@-4.695,6.713
SWDIO: typec.5 typec.7 U1.34 | length 20
  Top Layer w0.154: U1.34 -1.269,8.364 v1(-1.269,8.383)
  Bottom Layer w0.154: v1(-8.036,-5.068) v1(-8.036,-4.068) -8.036,-3.4 -7.488,-2.852 -7.488,-2.378 -7.27,-2.16 -7.27,-0.791 -7.322,-0.74 -7.322,1.908 -7.222,2.008 -7.222,2.438 -6.534,3.126 -6.534,3.87 -5.374,5.03 -5.374,6.638 -5.109,6.903 -5.109,8.621 -4.274,9.456 -3.256,9.456 -2.446,8.646 -2.092,8.646 -1.876,8.862 -1.748,8.862 v1(-1.269,8.383)
TX: IO1.2 U1.30 | length 8.8
  Top Layer w0.154: v1(0.731,7.262) U1.30
  Bottom Layer w0.154: v1(0.731,7.262) 0.743,7.262 0.798,7.316 1.673,7.316 1.922,7.565 2.953,7.565 5.607,10.219 6.385,10.219 6.534,10.368 6.534,10.453 6.992,10.911 IO1.2@6.992,10.944
Vbat+: BAT.2 C4.2 C101.2 IC2.3 Q1.2 R37.1 R41.2 RTC1.9 U1.1 | length 63.5
  Top Layer w0.154: v1(-9.19,3.26) -9.197,3.253 -9.197,2.028 C101.2 -9.156,1.97 -8.69,1.97 -7.604,0.884 -7.604,-0.226 -6.26,-1.57 v1(-5.84,-1.57) -5.072,-1.57 -4.892,-1.39 -2.432,-1.39 -2.342,-1.3 -2.342,-1.266 -2.269,-1.193 U1.1 ; RTC1.9 -7.023,6.22 -6.115,6.22 v1(-6.105,6.21) ; R41.2@-5.119,-6.344 -4.662,-6.801 -4.662,-6.952 -4.177,-7.437 -4.01,-7.437 C4.2@-3.835,-7.613 ; C4.2 -3.822,-7.613 C4.2@-3.835,-7.613 ; Q1.2 -1.513,-7.76 -1.636,-7.883 -1.636,-7.886 -2.8,-9.05 IC2.3 -3.5,-9.05 -3.623,-8.927 -3.623,-8.346 -3.835,-8.134 C4.2@-3.835,-7.613
  Bottom Layer w0.154: v1(-9.19,3.26) -9.152,3.26 -9.027,3.135 -8.331,3.135 -8.2,3.004 -7.516,3.004 -7.199,3.321 -7.199,4.207 -6.105,5.301 v1(-6.105,6.21) ; v1(-5.84,-1.57) -5.567,-1.843 -5.436,-1.843 -5.19,-2.089 v1(-5.19,-6.313) ; v1(-3.206,-9.081) -0.938,-11.349 1.821,-11.349 2.591,-10.579 5.31,-10.579 9.281,-6.608 9.281,-3.292 7.144,-1.155 7.144,0.306 10.826,3.988 10.826,5.45 13.329,7.953 BAT.2
Vbin: C5.2 Q1.3 R13.2 V1.3 | length 10.3
  Top Layer w0.154: C5.2@-2.905,-6.43 -0.712,-6.43 -0.332,-6.81 Q1.3 ; R13.2 2.055,-5.56 1.196,-6.419 1.196,-6.737 Q1.3 ; V1.3 2.757,-9.242 1.123,-7.608 Q1.3
pads on no net: B1.4 B1.11 BUZZER.3 RTC1.3 RTC1.8 RTC1.10 RTC1.11 SW1.5 SW1.6 SW1.7 SW1.8 typec.3 typec.4 typec.9 typec.10 typec.13 typec.14 typec.15 typec.16 U1.21 U1.22 U1.26 U1.29 U1.39 U1.41 U1.42 U1.45 U1.46
copper on no net:
  other v1: 4.88,7.943
  other v2: -11.49,-10.987 11.49,-10.987 -11.49,10.987 11.49,10.987

## Polygon pours and split planes (outlines as drawn)
GND on Bottom Layer "GND_L02_P002" (solid, remove dead copper, pour order 2): -18.748,18.402 -18.748,-16.158 19.29,-16.158 20.72,-16.158 20.721,17.6 20.72,18.402
GND on Top Layer "GND_L01_P000" (solid, remove dead copper, pour order 0): -17.43,18.025 -17.43,-16.644 4.162,-16.644 20.964,-16.644 20.964,-2.895 20.964,-1.435 20.964,18.025

## Keep-outs
Keep-Out Layer:
  lines w0.1: -14.842,9.662 cw(c-12.182,9.68) -12.679,12.293 ccw(c-13.847,20.666) -10.784,12.786 ccw(c-11.694,15.218) -9.599,13.684 cw(c-6.428,10.986) -7.115,15.093 ; -14.838,-9.447 ccw(c-12.178,-9.465) -12.676,-12.079 cw(c-13.844,-20.451) -10.78,-12.572 cw(c-11.691,-15.004) -9.596,-13.47 ccw(c-6.425,-10.771) -7.112,-14.878 ; -7.62,12.013 cw(c-7.62,12.713) -7.62,13.413 ; -7.547,-13.322 cw(c-7.547,-12.622) -7.547,-11.922 ; 7.132,-14.884 ccw(c6.445,-10.778) 9.616,-13.476 ; 7.132,15.083 cw(c6.445,10.976) 9.616,13.674 ccw(c11.711,15.208) 10.8,12.776 ccw(c13.864,20.656) 12.696,12.283 cw(c12.198,9.67) 14.858,9.652 ; 7.561,12.013 ccw(c7.561,12.713) 7.561,13.413 ; 7.634,-13.322 ccw(c7.634,-12.622) 7.634,-11.922 ; 9.619,-13.475 cw(c11.714,-15.009) 10.803,-12.577 cw(c13.866,-20.456) 12.698,-12.084 ; 12.696,-12.085 ccw(c12.198,-9.472) 14.858,-9.454
  lines w0.154: -14.842,-0.107 -14.842,9.702 ; -7.62,12.013 7.621,12.013 ; -7.62,13.413 7.531,13.413 ; -7.547,-13.322 7.694,-13.322 ; -7.547,-11.922 7.604,-11.922 ; -7.115,15.083 7.132,15.083 ; -7.112,-14.888 7.132,-14.888 ; 14.858,-9.454 14.858,9.872

## Other copper
Top Layer:
  pour cut-out: -12.827,-11.027 ccw(c-11.474,-11.027) -11.474,-12.38 ccw(c-11.474,-11.027) -10.121,-11.027 ccw(c-11.474,-11.027) -11.474,-9.674 ccw(c-11.474,-11.027)
  pour cut-out: 10.199,-11.138 ccw(c11.552,-11.138) 11.552,-12.491 ccw(c11.552,-11.138) 12.905,-11.138 ccw(c11.552,-11.138) 11.552,-9.785 ccw(c11.552,-11.138)
Bottom Layer:
  pour cut-out: -12.827,-11.017 ccw(c-11.474,-11.017) -11.474,-12.37 ccw(c-11.474,-11.017) -10.121,-11.017 ccw(c-11.474,-11.017) -11.474,-9.664 ccw(c-11.474,-11.017)
  pour cut-out: 10.199,-11.138 ccw(c11.552,-11.138) 11.552,-12.491 ccw(c11.552,-11.138) 12.905,-11.138 ccw(c11.552,-11.138) 11.552,-9.785 ccw(c11.552,-11.138)

## Silkscreen, mask and mechanical layers (free items; w line width, h text height)
Top Overlay:
  text "GoWatch" at 13.006,1.237 h0.6 r90
  text "GoWatch" at -6.795,-14.687 h0.8
Bottom Overlay:
  text "GoWatch" at 2.33,13.753 h0.6
  text "3.3v" at -5.45,10.163 h0.8 r92.07
  text "-" at -4.18,10.12 h0.8 r180
  text "GND" at 9.24,10.06 h0.8 r90
  text "+" at -2.137,9.87 h0.8 r90
  text "SCL" at -1.03,9.866 h0.8 r90
  text "SDA" at 0.26,9.866 h0.8 r90
  text "ESP TXD" at 1.717,9.866 h0.8 r90
  text "ESP RXD" at 3.07,9.866 h0.8 r90
  text "RX" at 6.08,9.866 h0.8 r90
  text "TX" at 7.427,9.866 h0.8 r90
  text "5v" at -7.05,9.193 h0.8
  text "GND" at 13.03,9.18 h0.8
  text "VBat+" at 13.08,7.65 h0.8
  text "2" at 0.81,1.333 h2
  text "1" at 1.149,1.34 h2
  text "Designed by life" at 6.861,-14.778 h0.8
Top Paste:
  lines w0.154: -14.889,-13.157 -14.889,-9.447 ; -11.49,0 11.49,0 ; -11.49,10.987 -11.49,-10.987 11.49,-10.987 11.49,10.987 -11.354,10.987 ; 0,-10.987 0,10.963
Top Solder:
  text "GoWatch" at -6.775,-14.687 h0.8
Mechanical 1:
  drawing of 211 lines, arcs and shapes, not listed